# Altium PCB source.PcbDoc (part 1 of 2) (continued)
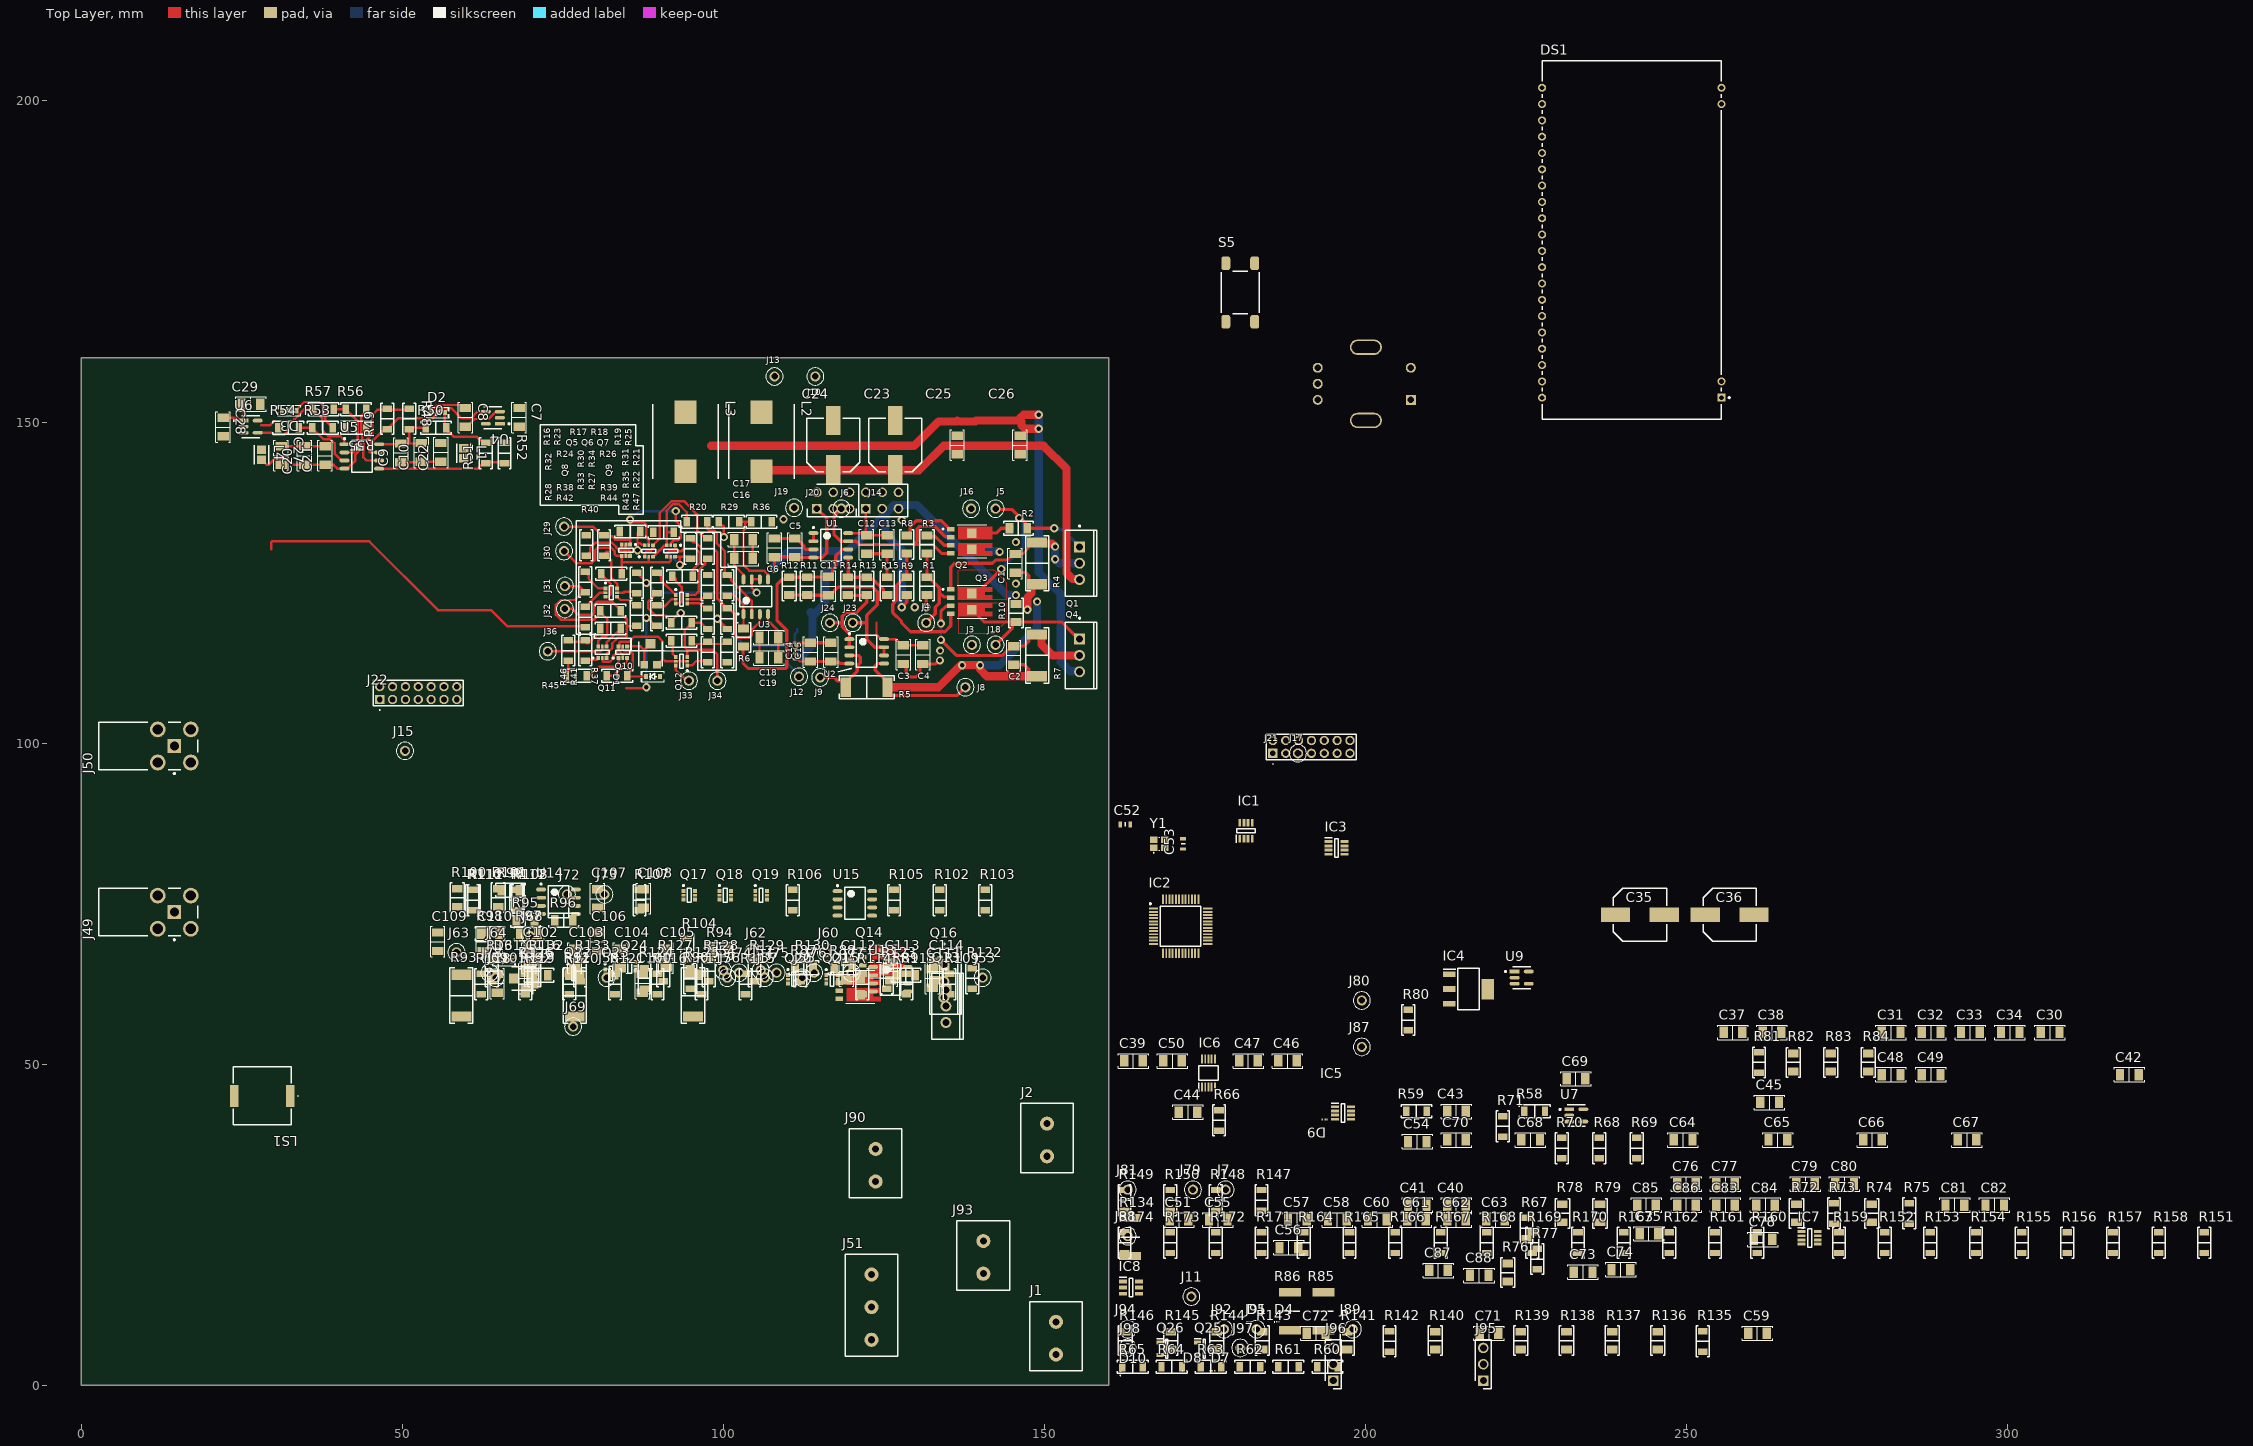
[diagram p0: Top Layer view]
## Components (designator, comment, footprint, x,y, rotation, side; value= is the part's Value field where it differs from the comment) (continued)
J94 "5001" FP-5001-MFG 162.941,8.763 r0 top
J95 "M20-9990346" HDRV3W64P0X254_1X3_762X254X864P 218.313,0.762 r90 top
J96 "M20-9990346" HDRV3W64P0X254_1X3_762X254X864P 194.945,0.762 r90 top
J97 "5001" FP-5001-MFG 180.467,5.842 r0 top
J98 "5001" FP-5001-MFG 162.941,5.842 r0 top
L1 "3.3uH" FP-MLZ2012-1_25-IPC_B 59.563,145.147 r270 top
L2 "33uH" INDPM116102X400N 105.918,146.939 r270 top
L3 "33uH" INDPM116102X400N 94.107,146.939 r270 top
L4 "3.3uH" FP-MLZ2012-1_25-IPC_B 28.067,144.907 r270 top
LS1 "CPT-9019B-SMT-TR" CPT9019BSMTTR 28.194,45.085 r180 top
Q1 "TIP32C" ONSC-TO-220-3-221A-09 155.448,128.016 r0 top
Q2 "PHPT610030NPK" TRANS_BUK9K18-40E,115 138.684,131.445 r0 top
Q3 "PHPT610030NPK" TRANS_BUK9K18-40E,115 138.684,122.047 r0 top
Q4 "TIP31C" ONSC-TO-220-3-221A-09 155.448,113.665 r0 top
Q5 "BC846BS" TSOP65P210X110-6N 84.821,130.037 r270 top
Q6 "BC846BS" TSOP65P210X110-6N 88.392,129.921 r90 top
Q7 "BC846BS" TSOP65P210X110-6N 91.821,129.921 r270 top
Q8 "BC846BS" TSOP65P210X110-6N 82.55,123.444 r0 top
Q9 "BC846BS" TSOP65P210X110-6N 93.472,122.428 r0 top
Q10 "BC846BS" TSOP65P210X110-6N 84.328,114.173 r90 top
Q11 "BC846BS" TSOP65P210X110-6N 81.153,114.173 r90 top
Q12 "BC846BS" TSOP65P210X110-6N 93.472,112.776 r180 top
Q13 "TIP32C" ONSC-TO-220-3-221A-09 134.632,59.055 r0 top
Q14 "PHPT610030NPK" TRANS_BUK9K18-40E,115 124.98,66.04 r0 top
Q15 "PHPT610030NPK" TRANS_BUK9K18-40E,115 121.297,62.103 r0 top
Q16 "TIP31C" ONSC-TO-220-3-221A-09 134.315,62.918 r0 top
Q17 "BC846BS" TSOP65P210X110-6N 94.679,76.327 r0 top
Q18 "BC846BS" TSOP65P210X110-6N 100.267,76.327 r0 top
Q19 "BC846BS" TSOP65P210X110-6N 105.855,76.327 r0 top
Q20 "BC846BS" TSOP65P210X110-6N 110.935,63.246 r0 top
Q21 "BC846BS" TSOP65P210X110-6N 116.904,63.246 r0 top
Q22 "BC846BS" TSOP65P210X110-6N 76.645,64.135 r0 top
Q23 "BC846BS" TSOP65P210X110-6N 82.487,64.135 r0 top
Q24 "BC846BS" TSOP65P210X110-6N 85.408,65.278 r0 top
Q25 "DMP3125L-7" SOT96P240X110-3N 174.879,5.715 r0 top
Q26 "DMG3406L-13" SOT96P240X110-3N 169.037,5.715 r0 top
R1 "2.2 kOhms" "RES 1206_3216" 131.699,124.46 r270 top
R2 "51 Ohms" "RES 1206_3216" 145.923,133.477 r180 top
R3 "5.1 Ohms" "RES 1206_3216" 131.699,130.937 r270 top
R4 "330 mOhms" "STACKPOLE CSR2512" 148.844,128.016 r90 top
R5 "500 mOhms" "STACKPOLE CSR2512" 122.301,108.712 r0 top
R6 "12 kOhms" "RES 1206_3216" 103.124,116.459 r90 top
R7 "330 mOhms" "STACKPOLE CSR2512" 148.844,113.665 r270 top
R8 "5.1 Ohms" "RES 1206_3216" 128.524,130.94 r90 top
R9 "2.2 kOhms" "RES 1206_3216" 128.524,124.46 r90 top
R10 "51 Ohms" "RES 1206_3216" 145.542,120.269 r270 top
R11 "2 kOhms" "RES 1206_3216" 113.03,124.46 r270 top
R12 "1 kOhms" "RES 1206_3216" 110.236,124.46 r270 top
R13 "2 kOhms" "RES 1206_3216" 122.301,124.46 r270 top
R14 "1 kOhms" "RES 1206_3216" 119.38,124.46 r270 top
R15 "12 kOhms" "RES 1206_3216" 125.476,124.46 r270 top
R16 "330 Ohms" "YAGEO RES 1206_3216" 78.613,130.81 r90 top
R17 "330 Ohms" "YAGEO RES 1206_3216" 85.471,132.969 r180 top
R18 "330 Ohms" "YAGEO RES 1206_3216" 90.678,132.842 r180 top
R19 "5 kOhms" "YAGEO RES 1206_3216" 94.869,130.302 r270 top
R20 "5 kOhms" "YAGEO RES 1206_3216" 95.885,134.493 r180 top
R21 "68 kOhms" "YAGEO RES 1206_3216" 100.584,124.587 r90 top
R22 "68 kOhms" "YAGEO RES 1206_3216" 100.584,119.38 r270 top
R23 "100 Ohms" "YAGEO RES 1206_3216" 81.407,130.81 r90 top
R24 "100 Ohms" "YAGEO RES 1206_3216" 82.55,126.365 r0 top
R25 "100 Ohms" "YAGEO RES 1206_3216" 97.536,130.302 r90 top
R26 "100 Ohms" "YAGEO RES 1206_3216" 93.599,125.984 r0 top
R27 "10 kOhms" "YAGEO RES 1206_3216" 89.662,119.888 r90 top
R28 "10 kOhms" "YAGEO RES 1206_3216" 78.486,119.634 r90 top
R29 "68 kOhms" "YAGEO RES 1206_3216" 100.838,134.493 r180 top
R30 "10 kOhms" "YAGEO RES 1206_3216" 86.487,124.968 r270 top
R31 "10 kOhms" "YAGEO RES 1206_3216" 97.536,124.587 r270 top
R32 "100 Ohms" "YAGEO RES 1206_3216" 78.486,125.095 r90 top
R33 "100 Ohms" "YAGEO RES 1206_3216" 86.487,119.888 r90 top
R34 "100 Ohms" "YAGEO RES 1206_3216" 89.662,124.968 r90 top
R35 "100 Ohms" "YAGEO RES 1206_3216" 97.536,119.377 r90 top
R36 "68 kOhms" "YAGEO RES 1206_3216" 105.918,134.493 r180 top
R37 "1 kOhms" "YAGEO RES 1206_3216" 83.439,110.49 r180 top
R38 "3.3 kOhms" "YAGEO RES 1206_3216" 82.423,120.65 r180 top
R39 "3.3 kOhms" "YAGEO RES 1206_3216" 93.472,118.745 r180 top
R40 "TC33X-2-502G" TC33X2503E 88.646,113.919 r0 top
R41 "1 Ohms" "YAGEO RES 1206_3216" 78.486,114.427 r270 top
R42 "1 Ohms" "YAGEO RES 1206_3216" 82.423,117.856 r0 top
R43 "1 Ohms" "YAGEO RES 1206_3216" 97.536,114.173 r270 top
R44 "1 Ohms" "YAGEO RES 1206_3216" 93.472,115.951 r180 top
R45 "330 Ohms" "YAGEO RES 1206_3216" 77.089,110.49 r0 top
R46 "330 Ohms" "YAGEO RES 1206_3216" 75.819,114.427 r90 top
R47 "330 Ohms" "YAGEO RES 1206_3216" 100.584,114.173 r90 top
R48 "10 kOhms" "YAGEO RES 1206_3216" 51.054,150.495 r270 top
R49 "10 kOhms" "YAGEO RES 1206_3216" 47.625,150.495 r90 top
R50 "1 kOhms" "YAGEO RES 1206_3216" 55.242,149.098 r0 top
R51 "10 kOhms" "YAGEO RES 1206_3216" 62.992,145.161 r90 top
R52 "10 kOhms" "YAGEO RES 1206_3216" 65.913,145.161 r270 top
R53 "10 kOhms" "YAGEO RES 1206_3216" 37.592,149.098 r0 top
R54 "10 kOhms" "YAGEO RES 1206_3216" 32.258,149.098 r0 top
R55 "1 kOhms" "YAGEO RES 1206_3216" 42.799,149.098 r180 top
R56 "10 kOhms" "YAGEO RES 1206_3216" 42.799,152.019 r0 top
R57 "10 kOhms" "YAGEO RES 1206_3216" 37.719,152.019 r0 top
R58 "22 kOhms" "YAGEO RES 1206_3216" 226.314,42.672 r0 top
R59 "12 kOhms" "YAGEO RES 1206_3216" 207.899,42.672 r0 top
R60 "10 kOhms" "YAGEO RES 1206_3216" 194.056,2.921 r0 top
R61 "10 kOhms" "YAGEO RES 1206_3216" 187.96,2.921 r0 top
R62 "3.3 kOhms" "YAGEO RES 1206_3216" 181.991,2.921 r0 top
R63 "3.3 kOhms" "YAGEO RES 1206_3216" 175.895,2.921 r0 top
R64 "3.3 kOhms" "YAGEO RES 1206_3216" 169.799,2.921 r0 top
R65 "3.3 kOhms" "YAGEO RES 1206_3216" 163.703,2.921 r0 top
R66 "10 kOhms" "YAGEO RES 1206_3216" 177.165,41.275 r90 top
R67 "10 kOhms" "YAGEO RES 1206_3216" 225.044,24.511 r90 top
R68 "10 kOhms" "YAGEO RES 1206_3216" 236.347,36.957 r90 top
R69 "10 kOhms" "YAGEO RES 1206_3216" 242.189,36.957 r90 top
R70 "10 kOhms" "YAGEO RES 1206_3216" 230.505,36.957 r90 top
R71 "10 kOhms" "YAGEO RES 1206_3216" 221.361,40.335 r90 top
R72 "10 kOhms" "RES 1206_3216" 267.081,26.797 r90 top
R73 "10 kOhms" "YAGEO RES 1206_3216" 272.923,26.797 r90 top
R74 "20 kOhms" "RES 1206_3216" 278.765,26.797 r90 top
R75 "10 kOhms" "YAGEO RES 1206_3216" 284.607,26.797 r90 top
R76 "20 kOhms" "RES 1206_3216" 222.123,17.577 r90 top
R77 "10 kOhms" "YAGEO RES 1206_3216" 226.695,19.685 r90 top
R78 "10 kOhms" "RES 1206_3216" 230.632,26.797 r90 top
R79 "20 kOhms" "RES 1206_3216" 236.474,26.797 r90 top
R80 "1.2 kOhms" "YAGEO RES 1206_3216" 206.629,56.896 r90 top
R81 "10 kOhms" "YAGEO RES 1206_3216" 261.239,50.292 r90 top
R82 "20 kOhms" "RES 1206_3216" 266.573,50.292 r90 top
R83 "10 kOhms" "RES 1206_3216" 272.415,50.292 r90 top
R84 "61.9 kOhms" "RES 1206_3216" 278.257,50.292 r90 top
R85 "50" RESC6332X65N 193.421,11.557 r90 top
R86 "50" RESC6332X65N 188.214,11.557 r90 top
R87 "2.2 kOhms" "RES 1206_3216" 112.534,65.024 r0 top
R88 "51 Ohms" "RES 1206_3216" 118.63,65.024 r0 top
R89 "5.1 Ohms" "RES 1206_3216" 128.409,63.881 r0 top
R90 "330 mOhms" "STACKPOLE CSR2512" 95.262,60.706 r90 top
R91 "500 mOhms" "STACKPOLE CSR2512" 76.847,60.706 r90 top
R92 "12 kOhms" "RES 1206_3216" 71.259,63.881 r0 top
R93 "330 mOhms" "STACKPOLE CSR2512" 59.194,60.706 r90 top
R94 "5.1 Ohms" "RES 1206_3216" 99.453,67.818 r0 top
R95 "2.2 kOhms" "RES 1206_3216" 69.164,72.443 r0 top
R96 "51 Ohms" "RES 1206_3216" 75.133,72.443 r0 top
R97 "2 kOhms" "RES 1206_3216" 69.735,70.358 r0 top
R98 "1 kOhms" "RES 1206_3216" 63.639,70.358 r0 top
R99 "2 kOhms" "RES 1206_3216" 66.814,77.089 r0 top
R100 "1 kOhms" "RES 1206_3216" 58.559,75.946 r90 top
R101 "12 kOhms" "RES 1206_3216" 64.909,75.946 r90 top
R102 "330 Ohms" "YAGEO RES 1206_3216" 133.668,75.565 r90 top
R103 "330 Ohms" "YAGEO RES 1206_3216" 140.78,75.565 r90 top
R104 "330 Ohms" "YAGEO RES 1206_3216" 94.361,67.945 r90 top
R105 "5 kOhms" "YAGEO RES 1206_3216" 126.556,75.565 r90 top
R106 "5 kOhms" "YAGEO RES 1206_3216" 110.808,75.565 r90 top
R107 "68 kOhms" "YAGEO RES 1206_3216" 86.932,75.565 r90 top
R108 "68 kOhms" "YAGEO RES 1206_3216" 68.009,75.565 r90 top
R109 "100 Ohms" "YAGEO RES 1206_3216" 135.192,62.484 r90 top
R110 "100 Ohms" "YAGEO RES 1206_3216" 60.897,75.565 r90 top
R111 "100 Ohms" "YAGEO RES 1206_3216" 67.755,75.565 r90 top
R112 "100 Ohms" "YAGEO RES 1206_3216" 61.151,75.565 r90 top
R113 "10 kOhms" "YAGEO RES 1206_3216" 128.461,62.484 r90 top
R114 "10 kOhms" "YAGEO RES 1206_3216" 121.603,62.484 r90 top
R115 "68 kOhms" "YAGEO RES 1206_3216" 103.442,62.484 r90 top
R116 "10 kOhms" "YAGEO RES 1206_3216" 89.726,62.484 r90 top
R117 "10 kOhms" "YAGEO RES 1206_3216" 96.584,62.484 r90 top
R118 "100 Ohms" "YAGEO RES 1206_3216" 62.294,62.484 r90 top
R119 "100 Ohms" "YAGEO RES 1206_3216" 69.152,62.484 r90 top
R120 "100 Ohms" "YAGEO RES 1206_3216" 76.01,62.484 r90 top
R121 "100 Ohms" "YAGEO RES 1206_3216" 83.122,62.484 r90 top
R122 "68 kOhms" "YAGEO RES 1206_3216" 138.748,63.373 r90 top
R123 "1 kOhms" "YAGEO RES 1206_3216" 125.413,63.373 r90 top
R124 "3.3 kOhms" "YAGEO RES 1206_3216" 87.694,63.373 r90 top
R125 "3.3 kOhms" "YAGEO RES 1206_3216" 94.806,63.373 r90 top
R126 "TC33X-2-502G" TC33X2503E 68.898,63.373 r90 top
R127 "1 Ohms" "YAGEO RES 1206_3216" 90.615,64.516 r90 top
R128 "1 Ohms" "YAGEO RES 1206_3216" 97.727,64.516 r90 top
R129 "1 Ohms" "YAGEO RES 1206_3216" 104.839,64.516 r90 top
R130 "1 Ohms" "YAGEO RES 1206_3216" 111.951,64.516 r90 top
R131 "330 Ohms" "YAGEO RES 1206_3216" 63.945,64.516 r90 top
R132 "330 Ohms" "YAGEO RES 1206_3216" 70.549,64.516 r90 top
R133 "330 Ohms" "YAGEO RES 1206_3216" 77.661,64.516 r90 top
R134 "50" RESC6332X65N 163.322,23.114 r90 top
R135 "10 kOhms" "YAGEO RES 1206_3216" 252.476,6.858 r90 top
R136 "12.1 kOhms" "RES 1206_3216" 245.491,6.985 r90 top
R137 "10 kOhms" "RES 1206_3216" 238.379,6.985 r90 top
R138 "61.9 kOhms" "RES 1206_3216" 231.267,6.985 r90 top
R139 "12.1 kOhms" "RES 1206_3216" 224.155,6.985 r90 top
R140 "10 kOhms" "RES 1206_3216" 210.82,6.985 r90 top
R141 "61.9 kOhms" "RES 1206_3216" 197.104,6.985 r90 top
R142 "10 kOhms" "YAGEO RES 1206_3216" 203.708,6.858 r90 top
R143 "12.1 kOhms" "RES 1206_3216" 183.896,6.985 r90 top
R144 "10 kOhms" "RES 1206_3216" 176.784,6.985 r90 top
R145 "61.9 kOhms" "RES 1206_3216" 169.672,6.985 r90 top
R146 "12.1 kOhms" "RES 1206_3216" 162.56,6.985 r90 top
R147 "10 kOhms" "YAGEO RES 1206_3216" 183.769,28.829 r90 top
R148 "10 kOhms" "YAGEO RES 1206_3216" 176.657,28.829 r90 top
R149 "3.3 kOhms" "YAGEO RES 1206_3216" 162.433,28.829 r90 top
R150 "3.3 kOhms" "YAGEO RES 1206_3216" 169.545,28.829 r90 top
R151 "10 kOhms" "YAGEO RES 1206_3216" 330.581,22.225 r90 top
R152 "10 kOhms" "YAGEO RES 1206_3216" 280.797,22.225 r90 top
R153 "10 kOhms" "YAGEO RES 1206_3216" 287.909,22.225 r90 top
R154 "10 kOhms" "YAGEO RES 1206_3216" 295.021,22.225 r90 top
R155 "10 kOhms" "YAGEO RES 1206_3216" 302.133,22.225 r90 top
R156 "10 kOhms" "YAGEO RES 1206_3216" 309.245,22.225 r90 top
R157 "10 kOhms" "YAGEO RES 1206_3216" 316.357,22.225 r90 top
R158 "10 kOhms" "YAGEO RES 1206_3216" 323.469,22.225 r90 top
R159 "10 kOhms" "YAGEO RES 1206_3216" 273.685,22.225 r90 top
R160 "10 kOhms" "YAGEO RES 1206_3216" 260.985,22.225 r90 top
R161 "10 kOhms" "YAGEO RES 1206_3216" 254.381,22.225 r90 top
R162 "10 kOhms" "YAGEO RES 1206_3216" 247.269,22.225 r90 top
R163 "10 kOhms" "YAGEO RES 1206_3216" 240.157,22.225 r90 top
R164 "10 kOhms" "YAGEO RES 1206_3216" 190.373,22.225 r90 top
R165 "10 kOhms" "YAGEO RES 1206_3216" 197.485,22.225 r90 top
R166 "10 kOhms" "YAGEO RES 1206_3216" 204.597,22.225 r90 top
R167 "10 kOhms" "YAGEO RES 1206_3216" 211.709,22.225 r90 top
R168 "10 kOhms" "YAGEO RES 1206_3216" 218.821,22.225 r90 top
R169 "10 kOhms" "YAGEO RES 1206_3216" 225.933,22.225 r90 top
R170 "10 kOhms" "YAGEO RES 1206_3216" 233.045,22.225 r90 top
R171 "10 kOhms" "YAGEO RES 1206_3216" 183.769,22.225 r90 top
R172 "10 kOhms" "YAGEO RES 1206_3216" 176.657,22.225 r90 top
R173 "10 kOhms" "YAGEO RES 1206_3216" 169.545,22.225 r90 top
R174 "10 kOhms" "YAGEO RES 1206_3216" 162.433,22.225 r90 top
S1 "FSM4JSMA" "TE FSM4JSMA" 208.153,194.31 r270 bottom
S2 "FSM4JSMA" "TE FSM4JSMA" 199.771,203.2 r270 bottom
S3 "FSM4JSMA" "TE FSM4JSMA" 190.903,194.528 r270 bottom
S4 "FSM4JSMA" "TE FSM4JSMA" 199.263,185.42 r270 bottom
S5 "FSM4JSMA" "TE FSM4JSMA" 180.467,170.18 r0 top
SW1 "PEC11R-4220F-S0012" FP-PEC11R-4220F-S0012-MFG 200.025,155.956 r90 bottom
U1 "TLV9362" SOIC8-127P600X175-8N 116.713,130.81 r0 top
U2 "TLV9362" SOIC8-127P600X175-8N 122.301,114.3 r0 top
U3 "TLV9362" SOIC8-127P600X175-8N 105.029,122.809 r90 top
U4 "ST730MR" FP-UJ-5-IPC_B 64.092,150.683 r180 top
U5 "TLV9362" SOIC8-127P600X175-8N 43.688,144.653 r0 top
U6 "ADP7182AUJZ-R7" FP-UJ-5-IPC_B 26.373,149.286 r0 top
U7 "ST730MR" FP-UJ-5-IPC_B 232.791,42.037 r0 top
U9 "ST730MR" FP-UJ-5-IPC_B 224.282,63.5 r0 top
U13 "TLV9362" SOIC8-127P600X175-8N 125.996,63.246 r0 top
U14 "TLV9362" SOIC8-127P600X175-8N 74.307,75.311 r0 top
U15 "TLV9362" SOIC8-127P600X175-8N 120.46,75.057 r0 top
Y1 "ECS-320-12-36B-CKY-TR" ECS240836QAESTR 167.855,84.343 r0 top

## Footprints (in the part's own frame and the unit in brackets; to place one, negate y for a bottom-side part, rotate by r counter-clockwise, add the part's x,y. Pads: shape width x height; smd on the part's side, far side on the other; paste and mask are expansions set on the pad)
"CAP 1206_3216 - 0.8MM" [mm] "Chip Capacitor, 2-Leads, Body 3.25x1.60mm, IPC Medium Density"
  rect 1.3x1.8 smd: 1(-1.45,0) 2(1.45,0)
  silkscreen extent -2.38,-1.13 2.38,1.13, body extent -1.6,-0.8 1.6,0.8, height 0.8
"CAP 1206_3216 - 1.8MM" [mm] "Chip Capacitor, 2-Leads, Body 3.25x1.60mm, IPC Medium Density"
  rect 1.3x1.8 smd: 1(-1.45,0) 2(1.45,0)
  silkscreen extent -2.38,-1.13 2.38,1.13, body extent -1.6,-0.8 1.6,0.8, height 1.8
"CAP ALSMD 8.3MM H10.5MM" [mm] "Aluminum Electrolytic Capacitor, Body 8.30x8.30x10.50mm, IPC Low Density"
  rect 4.55x2.3 smd: 1(-3.8,0) 2(3.8,0)
  silkscreen extent -4.15,-4.15 4.15,4.15, body extent -4.95,-4.15 4.95,4.15, height 10.5
CAPC1608X80N [mm]
  rect 0.54x0.94 smd: 1(-0.8,0) 2(0.8,0)
  silkscreen extent 0,-0.3 0,0.3, body extent -0.8,-0.4 0.8,0.4, height 0.8
CPT9019BSMTTR [mm]
  rect 1.3x3.4 smd: 1(-4.35,0) 2(4.35,0)
  silkscreen extent -5.6,-4.5 4.5,4.5, body extent -4.62,-4.5 4.62,4.5, height 1.91
ECS240836QAESTR [mm]
  rect 1.2x1 smd: 1(-0.85,-0.65) 2(0.85,-0.65) 3(0.85,0.65) 4(-0.85,0.65)
  silkscreen extent -0.9,-1.45 0.1,1, body extent -1.25,-1.15 1.25,0.85, height 0.6
ESDAXLC181BF4 [mm]
  rect 0.243x0.3 smd: 1(-0.207,0) 2(0.206,0)
  silkscreen extent -0.52,-0.03 -0.48,0.03, body extent -0.3,-0.15 0.3,0.15, height 0.42
ESDZV5HS1BF4 [mm]
  rect 0.187x0.225 smd: 1(-0.168,0) 2(0.169,0)
  silkscreen extent -0.55,-0.05 -0.45,0.05, body extent -0.3,-0.15 0.3,0.15, height 0.32
FP-5001-MFG [mm]
  round 1.57 hole 1.016 paste-2539.97 mask+0: 1(0,0)
  silkscreen extent -1.35,-1.34 1.35,1.34, body extent -1.45,-1.45 1.45,1.45, height 0.25
FP-EA_DOGM132L-5-MFG [mm]
  rect 1.25x1.25 hole 0.75 paste-2539.97 mask+0: 1(-24.53,-13.97)
  round 1.25 hole 0.75 paste-2539.97 mask+0: 2(-21.99,-13.97) 19(21.19,-13.97) 20(23.73,-13.97) 21(23.73,13.97) 22(21.19,13.97) 23(18.65,13.97) 24(16.11,13.97) 25(13.57,13.97) 26(11.03,13.97) 27(8.49,13.97) 28(5.95,13.97) 29(3.41,13.97) 30(0.87,13.97) 31(-1.67,13.97) 32(-4.21,13.97) 33(-6.75,13.97) 34(-9.29,13.97) 35(-11.83,13.97) 36(-14.37,13.97) 37(-16.91,13.97) 38(-19.45,13.97) 39(-21.99,13.97) 40(-24.53,13.97)
  silkscreen extent -27.9,-15.3 27.9,13.97, body extent -28,-14.69 28,14.69, height 0.25
FP-MLZ2012-1_25-IPC_B [mm]
  rect 1.354x1.456 smd paste+0 mask+0: 1(-0.776,0) 2(0.776,0)
  silkscreen extent -1.45,-1.13 1.45,1.13, body extent -1.7,-0.98 1.7,0.98, height 0.25
FP-PCB_SMAFRA_HT-MFG [mm]
  rect 2.15x2.15 hole 1.4 paste-2539.97 mask+0: 1(0,-4.05)
  round 2.45 hole 1.6 paste-2539.97 mask+0: 2(-2.575,-1.475) 3(2.575,-1.475) 4(-2.575,-6.625) 5(2.575,-6.625)
  silkscreen extent -4.42,-7.7 3.7,7.7, body extent -3.9,-7.95 3.9,7.8, height 0.25
FP-PEC11R-4220F-S0012-MFG [mm]
  rect 1.55x1.55 hole 1 paste-2539.97 mask+0: 1(-2.5,7)
  round 1.55 hole 1 paste-2539.97 mask+0: 2(2.5,7) A(-2.5,-7.5) B(2.5,-7.5) C(0,-7.5)
  rrect100% 2.4x5 hole 4.4 slot 1.8 at 0 deg paste-2539.97 mask+0: 3(-5.7,0) 4(5.7,0)
  silkscreen extent -6.5,-6.95 6.5,8.45, body extent -7,-7.7 7,7.2, height 27.3
FP-UJ-5-IPC_B [mm]
  rect 1.554x0.572 smd paste+0 mask+0: 1(-1.1,0.95)
  rrect100% 1.554x0.572 smd paste+0 mask+0: 2(-1.1,0) 3(-1.1,-0.95) 4(1.1,-0.95) 5(1.1,0.95)
  silkscreen extent -2.65,-1.7 1.4,1.7, body extent -2.13,-1.7 2.13,1.7, height 0.25
HDRV3W64P0X254_1X3_762X254X864P [mm]
  rect 1.65x1.65 hole 1.1: 1(0,0)
  round 1.65 hole 1.1: 2(2.54,0) 3(5.08,0)
  silkscreen extent -1.27,-1.27 6.35,1.27, body extent -1.27,-1.27 6.35,1.27, height 8.64
HDRV6W82P254_2X3_762X500X884P [mm]
  rect 1.5x1.5 hole 1: 1(0,0)
  round 1.5 hole 1: 2(0,2.54) 3(2.54,0) 4(2.54,2.54) 5(5.08,0) 6(5.08,2.54)
  silkscreen extent -1.47,-1.28 6.55,3.82, body extent -1.27,-1.23 6.35,3.77, height 8.84
INDPM116102X400N [mm]
  rect 3.6x3.4 smd: 1(-4.6,0) 2(4.6,0)
  silkscreen extent -5.8,-5.1 5.8,5.1, body extent -5.8,-5.1 5.8,5.1, height 4
MTMM10704GD185 [mm]
  rect 1.446x1.446 hole 0.89: 1(0,0)
  round 1.446 hole 0.89: 2(0,2) 3(2,0) 4(2,2) 5(4,0) 6(4,2) 7(6,0) 8(6,2) 9(8,0) 10(8,2) 11(10,0) 12(10,2) 13(12,0) 14(12,2)
  silkscreen extent -1,-1.7 13,3, body extent -1,-0.97 13,2.97, height 6.13
ONSC-TO-220-3-221A-09 [mm] "FM, 3-Leads, Body 10.3x4.85mm, Pitch 2.54mm"
  rect 1.7x1.7 hole 1.1: 1(0,2.54)
  round 1.7 hole 1.1: 2(0,0) 3(0,-2.54)
  silkscreen extent -2.2,-5.15 2.69,5.92, body extent -2.18,-5.15 2.67,5.15, height 19.85
QFP50P900X900X160-48N [mm]
  rect 1.475x0.3 smd: 1(-4.238,2.75) 2(-4.238,2.25) 3(-4.238,1.75) 4(-4.238,1.25) 5(-4.238,0.75) 6(-4.238,0.25) 7(-4.238,-0.25) 8(-4.238,-0.75) 9(-4.238,-1.25) 10(-4.238,-1.75) 11(-4.238,-2.25) 12(-4.238,-2.75) 25(4.238,-2.75) 26(4.238,-2.25) 27(4.238,-1.75) 28(4.238,-1.25) 29(4.238,-0.75) 30(4.238,-0.25) 31(4.238,0.25) 32(4.238,0.75) 33(4.238,1.25) 34(4.238,1.75) 35(4.238,2.25) 36(4.238,2.75)
  rect 0.3x1.475 smd: 13(-2.75,-4.238) 14(-2.25,-4.238) 15(-1.75,-4.238) 16(-1.25,-4.238) 17(-0.75,-4.238) 18(-0.25,-4.238) 19(0.25,-4.238) 20(0.75,-4.238) 21(1.25,-4.238) 22(1.75,-4.238) 23(2.25,-4.238) 24(2.75,-4.238) 37(2.75,4.238) 38(2.25,4.238) 39(1.75,4.238) 40(1.25,4.238) 41(0.75,4.238) 42(0.25,4.238) 43(-0.25,4.238) 44(-0.75,4.238) 45(-1.25,4.238) 46(-1.75,4.238) 47(-2.25,4.238) 48(-2.75,4.238)
  silkscreen extent -4.85,-3.15 3.15,3.62, body extent -4.5,-4.5 4.5,4.5, height 1.6
"RES 1206_3216" [mm] "Chip Resistor, 2-Leads, Body 3.13x1.55mm, IPC Medium Density"
  rect 1.2x1.65 smd: 1(-1.4,0) 2(1.4,0)
  silkscreen extent -2.3,-1.1 2.3,1.1, body extent -1.6,-0.8 1.6,0.8, height 0.6
RESC6332X65N [mm]
  rect 1.3x3.4 smd: 1(-2.95,0) 2(2.95,0)
  silkscreen extent 0,-1.5 0,1.5, body extent -3.15,-1.6 3.15,1.6, height 0.65